# KiCad board !HDMI2USB.kicad_pcb (continued)
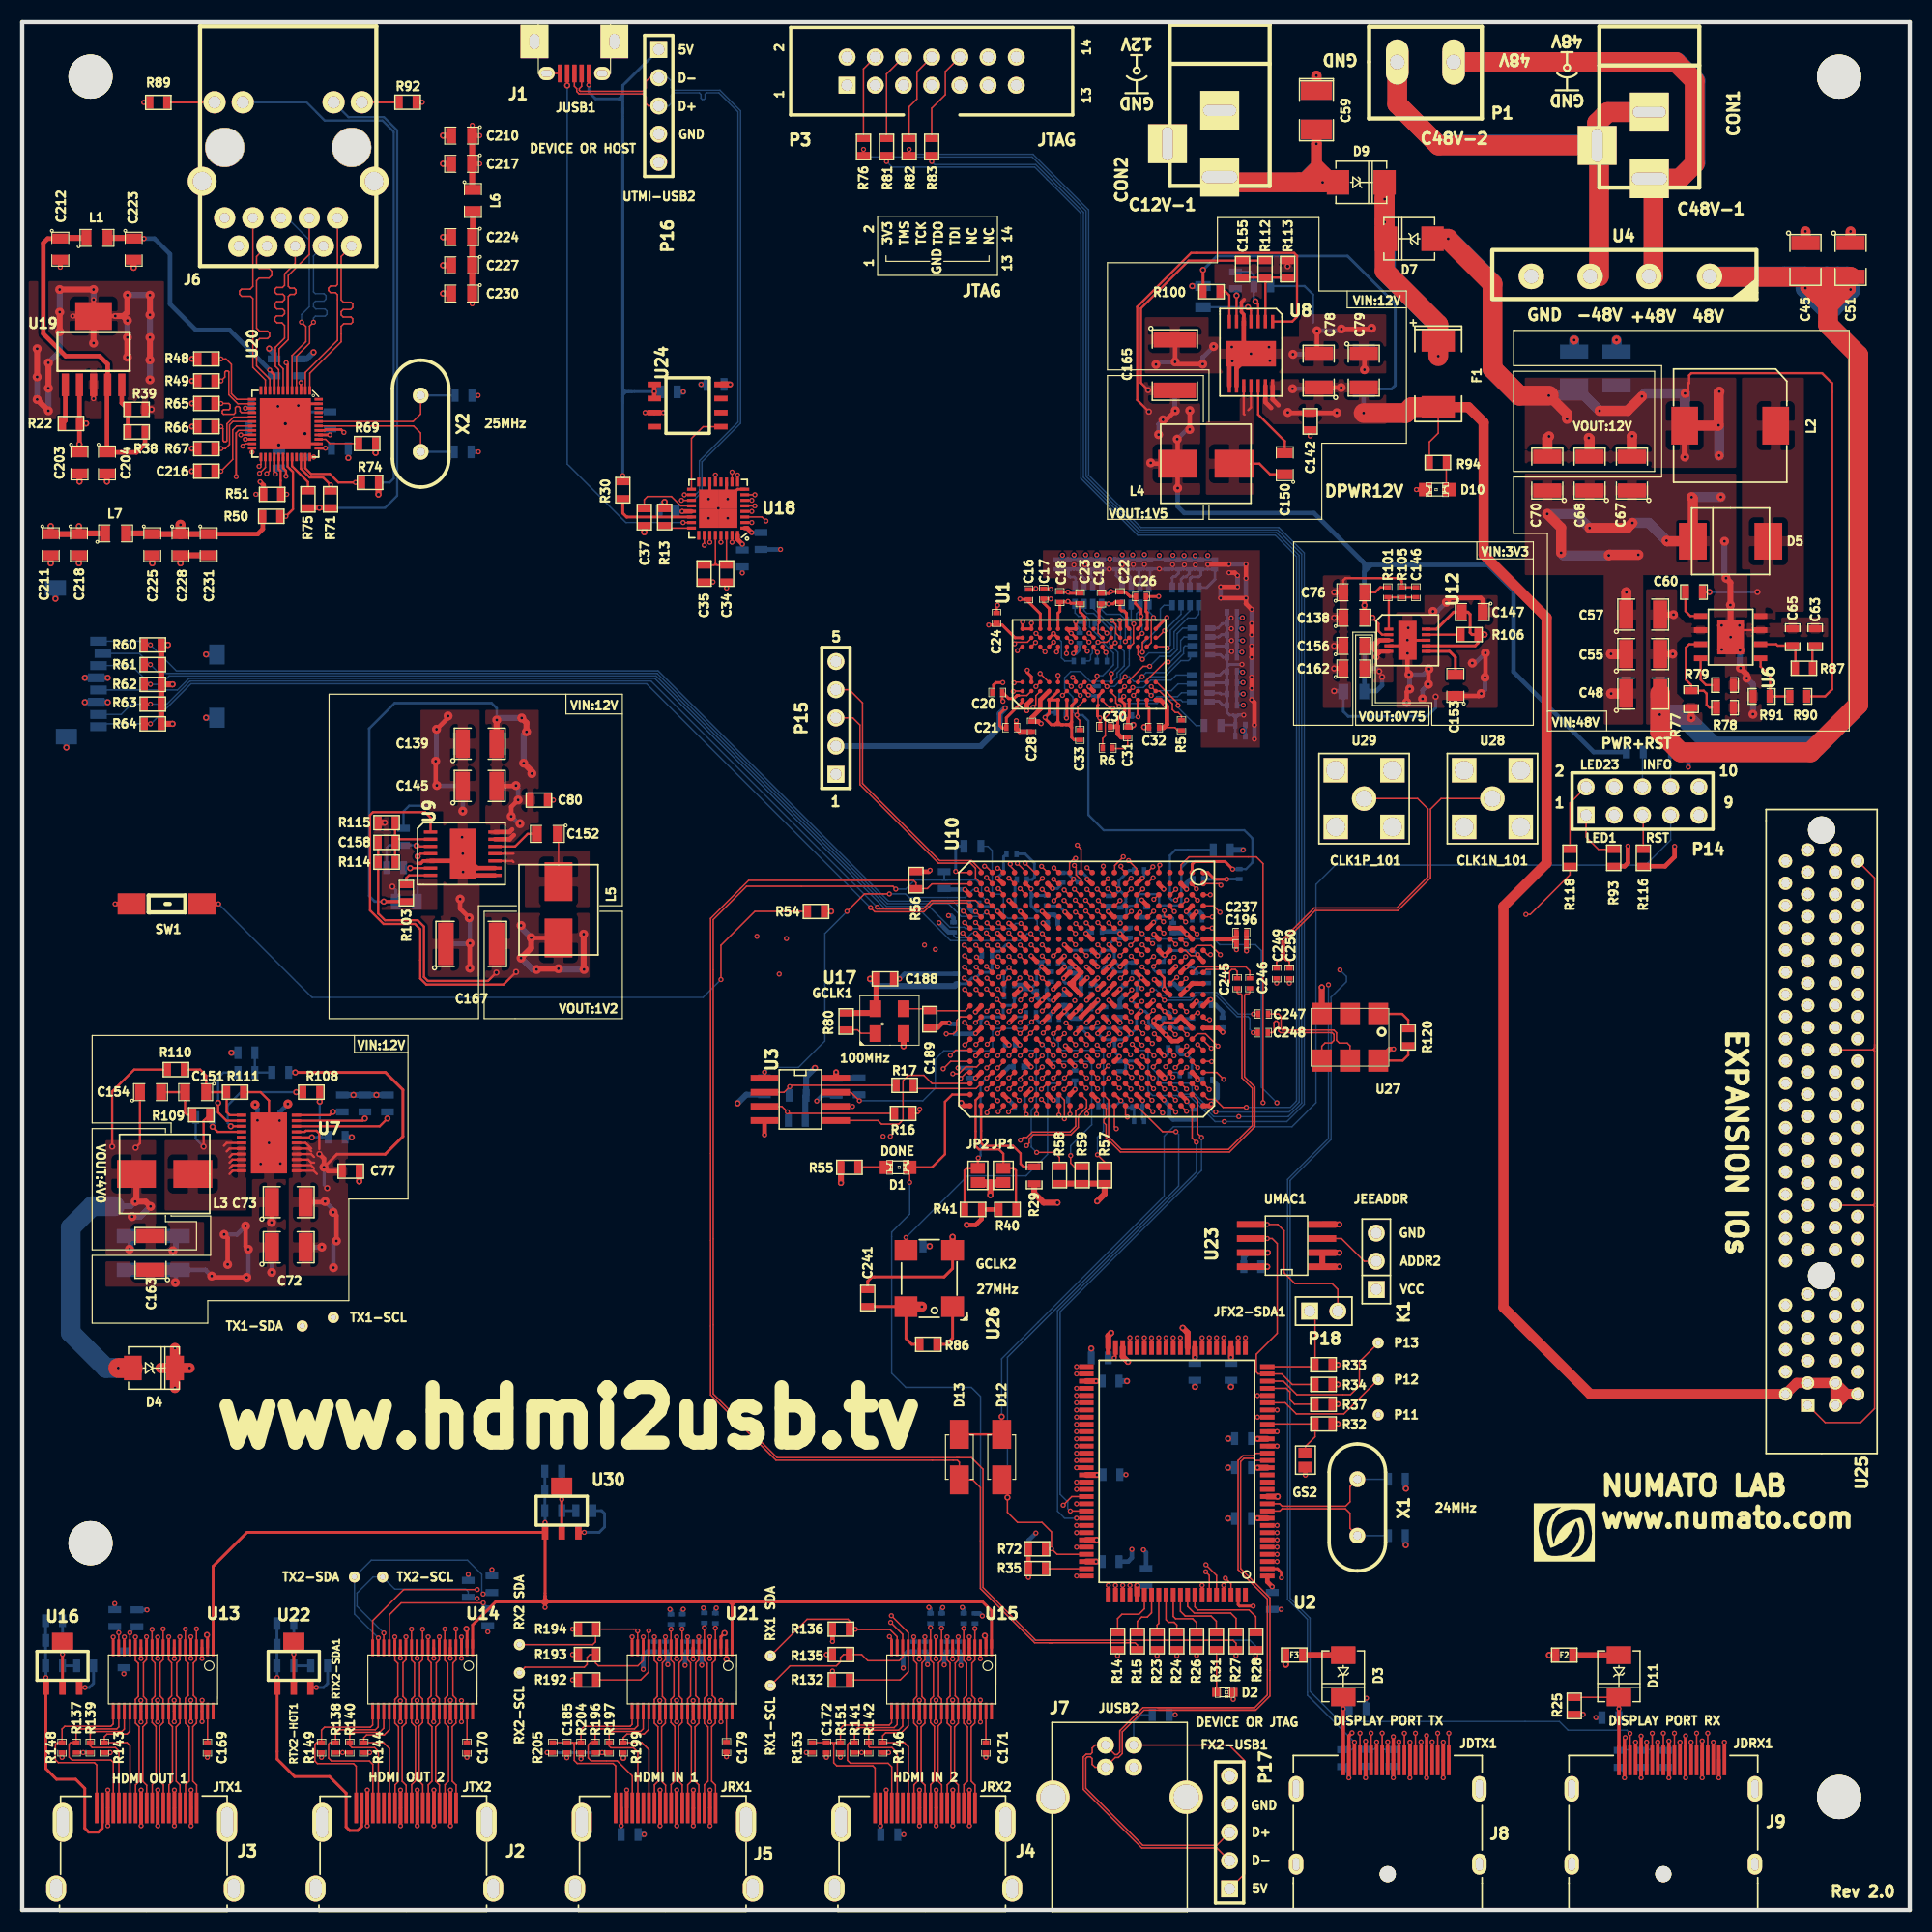
[diagram p0: board, top side]
## Routing (per net, layer and track width the routed paths; a pad name or vN(x,y) marks a point on that pad's centre or on a via; arc(x,y) is an arc through that point) (continued)
N-00000199: length 4.9
  TOP w0.127: R93.2 141.96,95.51 140.85,96.62 P14.1
N-00000200: length 3.1
  TOP w0.127: P14.5 146,98.51 R116.2
N-00000201: length 6.2
  TOP w0.127: P14.2 139.39,99.67 R118.1
N-00000204: length 3.2
  BOTTOM w0.127: R119.1 148.47,104.2 P14.8
N-00000205: length 4.5
  TOP w0.254: R86.2 83.24,50.93 83.79,51.49 U26.1
N-00000209: length 3.7
  TOP w0.203: U27.1 124.28,80.69 124.83,80.14 R120.1
N-00000212: length 1.8
  TOP w0.127: 102.35,85.42 v1(101.89,84.96)
  BOTTOM w0.203: v1(101.89,84.96) 101.89,84.66 102.06,84.49 R68.2
N-00000213: length 6.1
  TOP w0.127: U10.A10 106.64,84.69 108.15,84.69 108.34,84.51 108.34,83.5 108.44,83.4 108.62,83.4 108.73,83.52 108.73,84.49 108.93,84.69 109.25,84.69 109.42,84.51 C245.2
N-00000214: length 6.2
  TOP w0.127: C246.2 110.57,84.55 110.2,84.92 105.87,84.92 U10.B10
N-00000219: length 10.9
  TOP w0.127: U27.5 119.58,77.81 119.34,78.06 118.62,78.06 118.37,78.31 118.37,78.99 118.13,79.23 113.5,79.23 113.38,79.35 113.38,80.46 113.16,80.67 C247.2
N-00000220: length 30.4
  TOP w0.127: U28.2 127.78,100.08 126.84,99.13 126.84,92.94 123.89,90 116.45,90 113.68,87.23 113.68,85.63 113.8,85.51 113.96,85.51 114.12,85.36 C250.2
N-00000221: length 30.6
  TOP w0.127: U29.2 125.67,100.08 126.61,99.15 126.61,93.03 123.8,90.23 116.35,90.23 113.45,87.32 113.45,85.64 113.32,85.51 113.13,85.51 112.98,85.36 C249.2
N-00000223: length 10.9
  TOP w0.127: C248.2 112.59,79 112.74,79.15 112.74,79.91 112.86,80.04 113.01,80.04 113.14,79.91 113.14,79.16 113.31,79 117.98,79 118.14,78.83 118.14,78.3 117.91,78.07 117.33,78.07 117.04,77.78 U27.4
N-00000231: length 63
  TOP w0.127: v1(62.93,83.78) 62.93,86.86 65.99,89.92 R54.2
  TOP w0.406: SW1.1 v1(17.68,90.59)
  BOTTOM w0.127: v1(17.68,90.59) 26.1,82.17 61.32,82.17 v1(62.93,83.78)
N-00000232: length 12.9
  TOP w0.127: U10.R7 v1(91.87,87.91)
  BOTTOM w0.127: v1(91.87,87.91) 91.42,88.36 91.42,89.05 91.17,89.3 88.75,89.3 88.37,89.68 88.37,91.21 88.12,91.46 87.61,91.46 87.36,91.72 87.36,95.4 86.97,95.78 R85.2
N-00000252: length 17.9
  TOP w0.127: U20.10 22.3,137.86 21.11,139.05 21.11,141.23 21.38,141.5 22.09,141.5 22.28,141.69 22.28,141.99 22.09,142.18 21.37,142.18 21.11,142.45 21.11,146.73 21.34,146.96 22.23,146.96 22.48,147.21 22.48,147.57 22.23,147.81 21.35,147.81 21.11,148.05 21.11,148.9 J6.7
N-00000253: length 17.9
  TOP w0.127: v1(25.15,142.99) 25.55,142.59 25.55,141.23 24.3,139.98 U20.5
  BOTTOM w0.127: 23.31,152.38 23.86,152.38 25.86,150.38 25.86,144.37 25.15,143.67 v1(25.15,142.99)
N-00000254: length 17.8
  TOP w0.127: 25.85,152.38 25.85,149.08 23.96,147.19 23.96,146.22 24.13,146.06 24.49,146.06 24.65,145.9 24.65,145.63 24.51,145.49 24.14,145.49 23.96,145.31 23.96,141.42 23.13,140.58 23.13,139.16 23.5,138.79 23.5,136.84
N-00000255: length 17.8
  TOP w0.127: J6.5 24.58,148.28 23.63,147.33 23.63,146.3 23.44,146.11 22.9,146.11 22.76,145.97 22.76,145.68 22.93,145.5 23.47,145.5 23.63,145.35 23.63,145.03 23.44,144.84 22.92,144.84 22.77,144.68 22.77,144.34 22.93,144.18 23.45,144.18 23.63,144 23.63,143.74 23.44,143.55 22.91,143.55 22.75,143.39 22.75,143.12 22.94,142.93 23.39,142.93 23.63,142.69 23.63,141.55 22.8,140.72 22.8,139.01 23.1,138.71 U20.8
N-00000256: length 17.9
  TOP w0.127: U20.11 21.9,137.79 20.77,138.92 20.77,145.12 20.57,145.32 19.77,145.32 19.58,145.51 19.58,145.79 19.75,145.96 20.53,145.96 20.77,146.21 20.77,152.38
N-00000257: length 3.8
  TOP w0.127: R69.1 27.71,132.06 27.33,132.44 26.7,132.44
N-00000258: length 5.7
  TOP w0.127: K1.2 120.86,58.41 118.81,60.45 U23.3
N-00000259: length 17.9
  TOP w0.127: J6.1 28.73,148.9 28.73,144.99 28.93,144.79 29.6,144.79 29.77,144.62 29.77,144.31 29.58,144.12 28.91,144.12 28.73,143.94 28.73,143.63 28.91,143.45 29.61,143.45 29.76,143.3 29.76,142.99 29.62,142.85 28.95,142.85 28.73,142.62 28.73,141.22 25.9,138.39 U20.1
N-00000260: length 17.9
  TOP w0.127: 25.5,136.84 25.5,138.46 28.39,141.35 28.39,145.47 28.21,145.65 27.78,145.65 27.59,145.84 27.59,146.05 27.78,146.25 28.26,146.25 28.39,146.38 28.39,152.38
N-00000261: length 17.8
  TOP w0.127: v1(26.23,142.98) 25.88,142.63 25.88,141.09 24.7,139.91 U20.4
  BOTTOM w0.127: J6.3 26.23,148.95 26.23,145.72 26.4,145.56 27.18,145.56 27.36,145.38 27.36,145.07 27.17,144.88 26.42,144.88 26.23,144.69 26.23,144.38 26.44,144.18 27.27,144.18 27.45,144 27.45,143.7 27.28,143.53 26.41,143.53 26.23,143.36 v1(26.23,142.98)
N-00000262: length 3.6
  TOP w0.203: R75.1 25.73,128.59 24.3,130.02 U20.32
N-00000264: length 5.4
  TOP w0.127: v1(27.77,128.33) R71.1
  TOP w0.203: v1(27.77,128.33) 27.1,129 25.89,129 25.1,129.79 U20.34
  BOTTOM w0.127: R71.1 v1(27.77,128.33)
N-00000265: length 7.1
  TOP w0.203: 25.5,130.84 25.5,129.83 26.02,129.31 27.72,129.31 28.47,128.55 v1(30.01,128.55) R74.1
  BOTTOM w0.203: v1(30.01,128.55) R74.1
N-00000267: length 3.6
  TOP w0.406: R22.1 3.89,134.12 3.89,137.34
N-00000270: length 4.5
  TOP w0.406: U19.5 8.97,135.7 R39.2 R38.1
N-00000276: length 3.4
  TOP w0.203: 30.58,162.79 30.59,162.79 R92.1
N-00000277: length 4.3
  TOP w0.203: R89.1 13.03,162.79 17.32,162.79
N-00000283: length 2.5
  TOP w0.127: R13.2 58.09,124.44 U18.24
N-00000288: length 5.5
  TOP w0.127: C37.2 56.02,127 56.32,127.29 58.46,127.29 59.31,126.44 U18.20
N-00000289: length 7.6
  TOP w0.254: R30.1 54.09,125.78 54.43,125.44 U18.22
N-00000292: length 9.4
  TOP w0.127: 62.43,121.27 62.59,121.11 C34.1 ; 62.43,121.27 62.43,121.23 62.31,121.11 C35.1 C34.1 ; 62.43,121.27 U18.28 ; C34.1 63.43,121.12 U18.30
N-00000296: length 3.4
  TOP w0.127: U2.88 102.36,25.8 102.21,25.64 R23.1
N-00000297: length 5.1
  TOP w0.127: U2.90 103.66,26.42 103.88,26.21 105.41,26.21 105.77,25.85 R26.1
N-00000298: length 6.1
  TOP w0.127: U2.91 104.31,26.89 104.74,26.46 107.07,26.46 107.54,25.99 R31.1
N-00000299: length 7.1
  TOP w0.127: U2.92 104.96,27.32 105.56,26.73 108.84,26.73 109.32,26.25 R27.1
N-00000300: length 8.3
  TOP w0.127: U2.93 105.61,27.28 105.88,27.01 110.49,27.01 111.1,26.4 R28.1
N-00000301: length 5.3
  TOP w0.127: U2.86 101.06,27.11 100.57,26.62 99.04,26.62 98.65,26.23 R14.1
N-00000302: length 4.2
  TOP w0.127: U2.87 101.71,26.75 101.33,26.36 100.82,26.36 100.43,25.98 R15.1
N-00000303: length 4.1
  TOP w0.127: U2.89 103.01,26.12 103.24,25.9 103.74,25.9 103.99,25.65 R24.1
N-00000306: length 5.3
  TOP w0.127: R37.1 114.59,45.54 114.17,45.95 114.17,46.64 113.84,46.97 U2.27
N-00000310: length 7.2
  TOP w0.127: GS2.1 115.57,41.74 116.43,42.6 R32.1 112.18,43.76
N-00000311: length 3.9
  TOP w0.127: R31.2 107.56,23.42 D2.1
N-00000312: length 10.2
  TOP w0.127: U2.24 113.02,45.02
  SIGNAL3-X w0.127: P11.1 121.69,45.02 v1(113.02,45.02)
N-00000313: length 11.7
  TOP w0.127: P12.1 119.03,44.66 114.75,44.66 113.74,45.67 U2.25
N-00000319: length 3.7
  TOP w0.127: R35.1 92.17,30.72 U2.79
N-00000322: length 13.7
  TOP w0.127: P13.1 120.43,49.36 120.43,47.2 119.63,46.4 114.79,46.4 113.58,47.62 U2.28
N-00000324: length 26.7
  TOP w0.127: P17.1 110.11,3.26 110.11,13.41 108.69,14.84 J7.1
  BOTTOM w0.127: J7.1 100.1,16.86 100.81,17.57 R36.2
N-00000325: length 5.1
  TOP w0.203: U6.6 157.97,113.98 158.1,113.85 C65.2 159.7,113.6 R87.2
N-00000326: length 2.1
  TOP w0.203: C63.1 161.23,113.6 R87.1
N-00000328: length 6.9
  TOP w0.203: C158.2 33.87,96.42 U9.2 ; C158.2 R114.2 ; C158.2 R115.1
N-00000329: length 3.3
  TOP w0.203: C60.1 149.8,116.97 150.24,116.52 U6.1
N-00000330: length 3.6
  TOP w0.203: R79.1 151.65,110.3 151.16,110.78 U6.4
N-00000331: length 9
  TOP w0.203: R78.1 151.96,108.27 151.7,108.53 151.7,109.53 151.44,109.79 R77.1 150.31,110.31 149.84,110.78 149.84,113.68 150.14,113.98 U6.3
N-00000332: length 3.3
  TOP w0.203: R100.2 108.38,145.73 108.71,145.4 U8.7
N-00000333: length 7.7
  TOP w0.127: C152.1 48.3,96.85 L5.1
  TOP w0.203: 44.25,94.36 44.14,94.47 U9.10 ; U9.11 44.25,95.12
N-00000334: length 4.2
  TOP w0.203: U9.12 44.39,95.77 45.52,96.9 C152.2
N-00000335: length 7
  TOP w0.203: C150.2 113.71,132.27 111.31,134.67 U8.12
N-00000336: length 9.9
  TOP w0.203: C150.1 112.38,129.28 111.43,130.24 L4.1 ; 110.09,134.66 110.01,134.73 U8.10 ; 110.42,135.06 110.66,135.3 U8.11
N-00000337: length 3
  TOP w0.203: U8.6 109.36,145.39
  BOTTOM w0.203: R102.2 109.36,145.89 v3(109.36,145.39)
N-00000338: length 5.4
  TOP w0.203: v3(110.39,144.33) 110.66,144.06 U8.4
  BOTTOM w0.203: C143.2 v3(110.39,144.33)
N-00000340: length 10.2
  TOP w0.203: v3(24.68,73.64) R108.2 ; U7.3 18.79,70.57
  BOTTOM w0.203: v3(24.68,73.64) 19.69,73.64 18.51,72.45 18.51,70.85 v3(18.79,70.57)
N-00000341: length 7.7
  TOP w0.203: 26.09,69.57 U7.18 ; R108.1 v3(26.8,72.79)
  BOTTOM w0.203: 26.8,70.44 26.8,70.27 ; 26.8,70.44 v3(26.8,72.79) ; 26.8,70.44 26.8,70 ; 27.02,69.57 27.01,69.57 26.8,69.78 26.8,70 ; 27.02,69.57 C148.2 ; 27.02,69.57 26.58,69.57 ; 26.8,70 26.8,69.79 26.58,69.57 ; 26.58,69.57 26.1,69.57
  vias: v3(26.09,69.57)
N-00000342: length 4.3
  TOP w0.203: v3(27.98,71.86) 27.68,71.57 U7.22
  BOTTOM w0.203: R99.1 v3(27.98,71.86)
N-00000343: length 9.1
  TOP w0.203: U7.20 32.19,70.57 v3(32.9,71.27)
  BOTTOM w0.203: R107.2 32.89,71.27
N-00000344: length 6.1
  TOP w0.203: v3(111.07,144.85) 111.31,144.61 U8.3
  BOTTOM w0.203: R102.1 110.61,147.51 110.92,147.2 C137.2 110.92,145 v3(111.07,144.85)
N-00000345: length 5.9
  TOP w0.203: v3(35.53,95.84) 35.6,95.77 U9.3
  BOTTOM w0.203: R104.1 32.82,95.63 33.07,95.88 C141.2 35.49,95.88 v3(35.53,95.84)
N-00000346: length 2.9
  TOP w0.203: R103.2 34.6,92.93 34.84,93.17 U9.7
N-00000347: length 2.4
  TOP w0.203: U9.6 v3(34.94,93.82)
  BOTTOM w0.203: 34.91,93.85 R104.2
N-00000348: length 5.4
  TOP w0.203: v3(35.61,94.86) 35.87,95.12 U9.4
  BOTTOM w0.203: C144.2 35.61,90.86 v3(35.61,94.86)
N-00000349: length 3.6
  TOP w0.203: v3(17.14,70.52) 17.6,70.07 U7.4
  BOTTOM w0.203: v3(17.14,70.52) C149.1
N-00000350: length 7.5
  TOP w0.203: v3(17.65,72.67) 17.65,71.81 18.4,71.07 U7.2
  BOTTOM w0.203: R97.1 18.14,75.42 17.65,74.92 v3(17.65,72.67)
N-00000351: length 6.8
  TOP w0.203: v3(30.86,71.27) 30.66,71.07 U7.21
  BOTTOM w0.203: v3(30.86,71.27) R98.1
N-00000352: length 5.4
  TOP w0.203: U12.1 123.08,118.11 R101.2 R105.1 C146.1
N-00000353: length 4.8
  TOP w0.203: R109.1 14.84,71.61 14.67,71.78 C151.2 C154.2
N-00000355: length 8
  TOP w0.203: R112.2 111.96,146.97 U8.2 ; R112.2 C155.1 ; R112.2 R113.1
N-00000356: length 3.2
  TOP w0.203: 129.58,114.59 129.34,114.84 U12.9
N-00000357: length 2.5
  TOP w0.127: D10.1 128.26,128.14 R94.2
N-00000358: length 38.8
  TOP w1.778: v2(122.7,154.07) 122.7,147.61 127.53,142.78 F1.1 v2(127.53,139.93) ; 122.7,152 D9.2 ; v2(122.7,152) 122.7,150.61
  BOTTOM w1.778: D9.2 122.7,154.07 v2(122.7,154.07) v2(122.7,152) 122.7,150.61 D7.2 122.82,147.47 127.53,142.75 v2(127.53,139.93)
N-00000361: length 5.6
  TOP w0.203: U6.5 156.56,111.96 157.42,111.1 R91.2 R90.1
N-00000362: length 5
  TOP w0.203: v3(151.96,118.68) C60.2
  BOTTOM w0.203: v3(156.27,118.68) v3(151.96,118.68)
N-00000365: length 8.8
  TOP w0.203: R110.1 16.02,75.67 16.57,75.12 C151.1 R111.2 18.41,71.84 18.69,71.57 U7.1
N-00000366: length 13.9
  TOP w0.203: 18.16,68.81 18.41,69.06 U7.6 ; 18.41,68.3 18.67,68.56 U7.7 ; 18.67,67.8 18.94,68.06 U7.8 ; 18.67,67.29 18.94,67.56 U7.9 ; 18.67,66.78 18.95,67.06 U7.10 ; 18.67,66.27 18.96,66.56 U7.11 ; v3(16.34,68.74) 16.34,71.05 R109.2
  BOTTOM w0.203: v3(16.34,68.74) 15.62,69.45 C149.2
N-00000367: length 3.3
  BOTTOM w0.203: R95.2 R97.2 R96.1
N-00000377: length 2.8
  TOP w0.127: C171.1 86.79,17.89
N-00000378: length 2.4
  TOP w0.305: J4.18 77.31,9.18 v1(77.31,7.57)
  BOTTOM w0.254: 77.31,6.79 v1(77.31,7.57)
N-00000381: length 2.8
  TOP w0.127: U14.37 40.06,15.07
N-00000384: length 2.8
  TOP w0.127: U21.37 63.42,17.89 C179.1
N-00000387: length 2.8
  TOP w0.127: C169.1 16.69,15.07 U13.37
N-00000401: length 2.4
  TOP w0.305: J5.18 53.94,9.18 v1(53.94,7.58)
  BOTTOM w0.305: v1(53.94,7.58) 53.94,6.79
N-00000403: length 9.4
  TOP w0.254: U22.2 v1(24.46,23.02) U22.2
  BOTTOM w0.254: C177.2 C181.2 v1(24.46,23.02) 24.46,23.82 ; C252.2 24.47,25.77
N-00000405: length 9.4
  TOP w0.254: U16.2 v1(3.63,23.02) U16.2
  BOTTOM w0.254: R195.2 C175.2 v1(3.63,23.02) C205.2 4.9,21.97
N-00000407: length 8.9
  TOP w0.254: U30.2 v1(48.59,36.96) U30.2
  BOTTOM w0.254: R121.2 C206.2 v1(48.59,36.96) C208.2 C183.2
N-00000409: length 3.7
  TOP w0.533: D3.1 118.96,22.94 F3.2
N-00000410: length 4.2
  TOP w0.533: F2.2 139.65,22.93 D11.1
N-00000411: length 6.2
  TOP w0.305: v1(118.97,18.11) D3.2 ; J8.20 118.98,18.1
  BOTTOM w0.305: v1(118.97,18.11) 118.98,18.1 C47.1
N-00000412: length 11.9
  TOP w0.127: D11.2 139.79,19.13
  TOP w0.305: 143.8,17.48 143.8,19.13 ; 143.8,17.48 143.8,13.7 ; 143.8,17.48 v1(143.8,18.11) ; D11.2 143.8,18.11
  BOTTOM w0.406: v1(143.8,18.11) 143.8,17.31
VTTDDR0: length 117.6
  TOP w0.203: 121.71,114.08 121.96,114.34 U12.3
  TOP w0.406: v1(108.69,121.18) 108.67,121.16 v1(106.77,121.16) ; v1(110.22,121.18) v1(110.22,119.91) ; v1(107.93,118.13) v1(110.22,118.13) 110.22,117.62 v1(110.72,117.12) ; v1(107.93,119.15) v1(109.45,119.15) ; v1(109.45,120.16) 109.2,120.42 v1(108.69,120.42) ; v1(110.72,115.85) v1(110.72,114.83) ; v1(110.72,113.81) v1(110.72,112.8) ; v1(110.72,111.02) v1(110.72,110) ; v1(110.72,108.99) 110.98,108.73 v1(110.98,106.7) ; 121.84,113.74 121.84,113.93 122.24,114.34 U12.3 ; U12.5 122.32,113.34 121.96,112.98 v3(121.96,112.81) 121.96,113.32 121.46,113.83 C156.2
  PWR w0.406: 94.72,121.11 94.74,121.14 ; 105.64,121.13 105.66,121.16 ; 108.88,115.39 108.91,115.36
  BOTTOM w0.254: C12.1 109.21,105.74 109.26,105.79 C180.1 ; R3.1 107.12,108.84 107.79,108.84 108.16,108.48 C209.1 ; R3.3 106.99,109.58 107.86,109.58 107.95,109.5 C184.1 ; R3.5 107.03,110.42 107.13,110.51 C207.1 ; R3.7 106.85,111.21 107.88,111.21 108.2,111.53 C182.1 ; C182.1 108.43,111.58 108.48,111.53 108.48,109.47 108.5,109.45 C209.1 ; C182.1 108.53,111.38 108.5,111.42 C186.1 ; C182.1 108.5,111.92 108.74,112.16 v1(109.85,112.16) ; 109.3,106.86 C180.1 ; C180.1 108.17,106.7 108.05,106.59 R1.1 ; C180.1 109.26,107.32 109.54,107.6 ; C180.1 109.26,107.39 109.05,107.6 ; C176.1 108.51,113.84 108.5,113.83 108.5,113.3 ; C176.1 107.06,113.81 107.05,113.83 R8.3 ; C176.1 108.5,114.32 ; R8.1 107.17,113.04 107.89,113.04 108.14,112.8 C186.1 ; R8.5 107.15,114.63 107.76,114.63 107.96,114.83 C174.1 ; R8.7 107.03,115.43 107.69,115.43 108.1,115.85 C10.1 ; C174.1 108.48,114.77 108.5,114.75 108.5,114.32 ; C174.1 108.5,115.38 ; C10.1 108.49,115.98 108.5,115.97 108.5,115.38 ; C10.1 108.47,115.78 108.5,115.81 108.5,116.35 ; 108.5,113.3 C186.1 ; 108.5,113.3 108.91,113.3 v1(108.92,113.32) ; 108.5,114.32 108.9,114.32 v1(108.91,114.31) ; 108.5,115.38 v1(108.9,115.38) ; 108.5,116.35 C15.1 ; 108.5,116.35 v1(108.88,116.35) ; R9.5 104.37,119.08 104.37,119.83 104.58,120.04 104.81,120.04 105.14,120.37 C187.1 ; C178.1 104.06,120.72 104.05,120.73 103.58,120.73 ; C178.1 104.2,120.77 104.24,120.73 104.59,120.73 ; C178.1 104.12,120.34 103.87,120.09 103.7,120.09 103.57,119.95 R9.7 ; C13.1 106.02,120.65 106.11,120.73 106.76,120.73 ; C13.1 105.6,120.73 ; C13.1 106.15,120.23 105.96,120.04 105.33,120.04 105.17,119.88 R9.3 ; C187.1 105.08,120.75 105.1,120.73 105.6,120.73 ; C187.1 104.59,120.73 ; 106.76,120.73 C14.1 107.42,119.82 106.68,119.08 R9.1 ; 106.76,120.73 106.76,121.14 v1(106.77,121.16) ; 105.6,120.73 105.6,121.07 v1(105.65,121.12) ; 104.59,120.73 104.59,121.05 v1(104.67,121.13) ; 103.58,120.73 C3.1 102.44,120.73 v1(102.41,120.76) 101.58,120.76 C4.1 ; 103.58,120.73 103.58,121.1 103.61,121.12 v1(103.61,121.15) ; R2.1 101.48,119.23 101.48,119.76 101.58,119.86 C4.1 ; R2.3 100.7,119.17 100.7,120.04 100.56,120.18 C1.1 ; R2.5 99.82,119.19 99.82,120.02 99.55,120.3 C7.1 ; R2.7 99.13,119.26 99.13,119.84 98.94,120.03 98.67,120.03 98.53,120.17 C8.1 ; R10.1 97.18,119.3 97.18,120.21 97.26,120.29 C9.1 ; R10.3 96.46,119.14 96.46,119.9 96.25,120.12 C5.1 ; R10.5 95.67,119.03 95.67,119.87 95.23,120.31 C2.1 ; R10.7 94.87,119 94.87,119.91 94.76,120.03 94.36,120.03 94.21,120.18 C6.1 93.67,120.73 ; C4.1 101,120.73 ; C1.1 100.59,120.74 100.6,120.73 101,120.73 ; C1.1 100.05,120.73 ; C7.1 99.56,120.71 99.58,120.73 100.05,120.73 ; C7.1 99.1,120.73 ; C8.1 98.49,120.72 98.5,120.73 99.1,120.73 ; C8.1 97.95,120.73 ; C9.1 97.36,120.72 97.37,120.73 97.95,120.73 ; C9.1 96.76,120.73 ; C5.1 96.27,120.76 96.29,120.73 96.76,120.73 ; C5.1 95.71,120.73 ; C2.1 95.29,120.74 95.3,120.73 95.71,120.73 ; C2.1 94.71,120.73 ; C11.1 93.24,120.76 93.27,120.73 93.67,120.73 ; 101,120.73 101,121.09 v1(101.07,121.16) ; 100.05,120.73 100.05,121.14 v1(100.07,121.16) ; 99.1,120.73 99.1,121.1 v1(99.06,121.14) ; 97.95,120.73 97.92,120.73 v1(97.9,120.74) ; 96.76,120.73 96.76,120.74 96.75,120.75 v1(96.75,121.13) ; 95.71,120.73 95.71,121.14 v1(95.72,121.14) ; 94.71,120.73 94.23,120.73 ; 94.71,120.73 94.71,121.11 v1(94.72,121.12) ; 93.67,120.73 93.67,121.11 v1(93.68,121.11) ; 109.45,107.6 v1(110.01,107.6) 109.54,107.6 ; C209.1 108.5,107.84 108.74,107.6 109.05,107.6 ; 109.05,107.6 109.54,107.6
  BOTTOM w0.406: v1(108.69,121.18) v1(110.22,121.18) ; v1(110.22,119.91) v1(110.22,118.13) ; v1(107.93,118.13) v1(107.93,119.15) ; v1(109.45,119.15) v1(109.45,120.16) ; v1(110.72,117.12) v1(110.72,115.85) ; v1(110.72,114.83) v1(110.72,113.81) ; v1(110.72,112.8) v1(110.72,111.02) ; v1(110.72,110) v1(110.72,108.99) ; v1(110.98,106.7) v1(110.98,105.43) ; v3(122.47,111.04) 122.47,110.27 121.96,109.77 120.88,109.77 C162.2 ; v3(122.22,111.54) 121.96,111.8 C162.2 ; C156.2 C162.2
VTTREF: length 4.4
  TOP w0.254: C153.2 129.08,112.81 128.55,113.34 U12.6
VTTREF0: length 83.5
  TOP w0.127: U1.H1 95.7,108.97 95.06,108.33 95.06,107.67 94.98,107.59 v1(94.99,107.6) 94.99,107.37 95.24,107.12 95.24,106.21 C33.1 ; v1(98.14,116.13) 98.5,115.77 98.5,114.97 98.89,114.58 U1.M8 ; 95.36,86.42 v1(95.85,85.93) ; U10.P8 v1(92.86,85.92) ; U10.K8 v1(96.87,86.91)
  TOP w0.254: v1(109.01,93.72) 108.33,94.41 105.61,94.41 105.36,94.17 U10.B1
  PWR w0.254: 95.21,86.39 93.34,86.39 v1(92.86,85.92) ; 95.21,86.39 95.39,86.39 ; 95.21,86.39 95.55,86.39 95.57,86.38 ; 95.57,86.38 95.85,86.09 v1(95.85,85.93) 95.85,86.15 96.08,86.38 ; 95.57,86.38 96.08,86.38 ; 96.08,86.38 96.33,86.38 v1(96.87,86.91) 97.37,87.41 99.17,87.41 99.38,87.63 99.38,88.15 98.9,88.64 v1(98.9,88.86)
  BOTTOM w0.127: 98.14,116.1 98.14,116.06 ; 98.14,116.1 98.14,116.03 98.92,115.24 98.92,113.65 99.25,113.33 99.25,112.04 98.61,111.39 98.61,111.03 98.22,110.63 96.19,110.63 95.31,111.52 94.44,111.52 93.88,110.96 93.88,109.97 94.63,109.21 94.63,107.87 94.92,107.58 94.98,107.58 v1(94.99,107.6) ; 98.14,116.1 v1(98.14,116.13)
  BOTTOM w0.203: C192.1 99.28,89.37 99.44,89.54 99.44,90.12 99.75,90.43 100.17,90.43 100.38,90.63 100.38,91.2 100.65,91.47 102.18,91.47 102.39,91.26 102.39,90.59 102.53,90.45 104.14,90.45 104.4,90.71 104.4,93.85 104.95,94.4 108.34,94.4 v1(109.01,93.72) ; C113.1 110.22,93.73 110.79,94.3 110.79,96.5 110.06,97.23 97.4,97.23 96.02,98.61 96.02,107.07 95.5,107.6 v1(94.99,107.6)
  BOTTOM w0.254: C113.1 109.6,93.72 v1(109.01,93.72) ; v1(98.9,88.86) C192.1

## Copper pours and planes (outline as drawn; the poured copper is in the pictures)
/Power/VIN 48 on TOP: 149.04,118.93 149.04,116.65 149.8,115.89 152.08,115.89 152.08,114.62 149.54,114.62 149.04,114.11 149.04,109.54 149.54,109.03 151.32,109.03 151.32,106.74 146.24,106.74 146.24,118.93
/Power/VIN 48 on BOTTOM: 151.58,119.7 151.58,106.74 145.99,106.74 145.99,119.7
GND on TOP: 41.2,108.07 41.2,83.94 35.87,83.94 35.87,89.53 37.9,89.53 37.9,98.93 35.87,98.93 35.87,108.07
GND on TOP: 37.39,98.42 31.55,98.42 31.55,90.04 37.39,90.04
GND on TOP: 122.86,138.37 101.01,138.37 101.01,143.45 106.85,143.45 106.85,141.67 114.98,141.67 114.98,143.7 122.86,143.7
GND on TOP: 114.47,142.18 107.36,142.18 107.36,149.29 114.47,149.29
GND on TOP: 23.75,56.11 7.49,56.11 7.49,58.4 16.89,58.4 16.89,62.46 20.7,62.46 20.7,72.11 23.75,72.11
GND on TOP: 119.68,108.24 117.14,108.24 117.14,120.18 119.68,120.18
GND on TOP: 123.74,108.24 132.89,108.24 132.89,118.4 126.28,118.4 126.28,116.88 123.74,116.88
GND on TOP: 154.37,129.35 154.37,120.2 155.39,120.2 155.39,115.89 158.43,115.89 158.43,116.39 162.75,116.39 162.75,114.62 155.39,114.62 155.39,111.31 156.66,111.31 156.66,107 153.35,107 153.35,112.08 152.34,112.08 152.34,120.2 145.99,120.2 145.99,106.74 142.43,106.74 142.43,120.2 135.32,120.2 135.32,129.35
GND on TOP: 12.78,134.24 0.58,134.24 0.58,146.69 12.78,146.69
GND on BOTTOM: 41.2,108.07 41.2,83.18 35.87,83.18 35.87,89.53 37.9,89.53 37.9,98.93 35.87,98.93 35.87,108.07
GND on BOTTOM: 122.86,138.37 101.01,138.37 101.01,143.45 106.85,143.45 106.85,141.67 114.98,141.67 114.98,143.7 122.86,143.7
GND on BOTTOM: 26.03,69.83 23.49,69.83 23.49,56.11 7.49,56.11 7.49,58.4 16.89,58.4 16.89,62.46 12.57,62.46 12.57,69.83 7.49,69.83 7.49,75.16 26.03,75.16
GND on BOTTOM: 119.68,108.24 117.14,108.24 117.14,120.18 119.68,120.18
GND on BOTTOM: 132.89,108.24 123.74,108.24 123.74,116.88 126.28,116.88 126.28,118.4 132.89,118.4
GND on BOTTOM: 162.75,137.98 162.75,111.06 156.66,111.06 156.66,107 152.34,107 152.34,120.2 145.48,120.2 145.48,106.74 142.43,106.74 142.43,120.2 135.32,120.2 135.32,129.35 154.88,129.35 154.88,137.98
GND on BOTTOM: 12.78,134.24 0.58,134.24 0.58,146.69 12.78,146.69
GND on GND1: 170,0 0,0 0,170 170,170
GND on GND2: 170,0 0,0 0,170 170,170
GND on GND3: 170,0 0,0 0,170 170,170
VCC1V2 on TOP: 51.11,89.78 51.11,83.94 41.71,83.94 41.71,89.78
VCC1V2 on BOTTOM: 51.11,89.78 51.11,83.18 41.71,83.18 41.71,89.78
VCC1V2 on PWR: 109.93,79.38 100.28,79.38 100.15,79.5 99.52,79.5 99.39,79.38 97.36,79.38 97.1,79.63 94.82,79.63 94.44,79.38 86.31,79.38 86.18,79.5 85.55,79.5 85.42,79.38 41.73,79.38 41.73,90.43 66.62,90.43 66.62,85.47 92.91,85.47 93.8,86.24 96.47,86.24 97.48,87.25 109.93,87.25
VCC1V5 on TOP: 106.09,127.44 101.01,127.44 101.01,137.6 106.09,137.6
VCC1V5 on BOTTOM: 106.09,127.44 101.01,127.44 101.01,137.6 106.09,137.6
VCC1V5 on PWR: 107.26,90.55 98.37,90.55 98.37,87.51 95.33,87.51 93.55,89.03 92.53,89.03 92.28,89.28 91.64,89.28 91.39,89.03 89.86,89.03 87.2,92.84 87.2,95.38 102.44,95.38 102.44,105.03 86.44,105.03 86.44,120.78 95.33,120.78 95.33,138.81 107.26,138.81
VCC3V3 on PWR: 170,0.13 0.08,0.13 0.08,170.06 170,170.06 ; 1 cut-out
VCC4V0 on TOP: 16.38,58.91 7.49,58.91 7.49,69.32 12.06,69.32 12.06,61.95 16.38,61.95
VCC4V0 on BOTTOM: 16.38,58.91 7.49,58.91 7.49,69.32 12.06,69.32 12.06,61.95 16.38,61.95
VCC12V0 on TOP: 46.54,108.07 46.54,96.13 41.71,96.13 41.71,108.07
VCC12V0 on TOP: 122.86,133.79 111.68,133.79 111.68,137.86 122.86,137.86
VCC12V0 on TOP: 29.34,57.13 24,57.13 24,69.32 29.34,69.32
VCC12V0 on BOTTOM: 46.54,108.07 46.54,96.13 41.71,96.13 41.71,108.07
VCC12V0 on BOTTOM: 122.86,133.79 111.68,133.79 111.68,137.86 122.86,137.86
VCC12V0 on BOTTOM: 29.34,57.13 24,57.13 24,69.32 29.34,69.32
/Power/Conference 12V on TOP: 154.37,137.98 154.37,129.86 135.32,129.86 135.32,137.98
/Power/Conference 12V on BOTTOM: 154.37,137.98 154.37,129.86 135.32,129.86 135.32,137.98
N-00000333 on TOP: 51.11,95.37 51.11,90.29 45.27,90.29 45.27,94.1 41.71,94.1 41.71,95.37
N-00000336 on TOP: 110.92,127.44 106.6,127.44 106.6,134.05 109.65,134.05 109.65,137.86 110.92,137.86
N-00000362 on TOP: 160.47,116.9 157.93,116.9 157.93,116.14 155.64,116.14 155.64,120.71 154.88,120.71 154.88,137.98 160.47,137.98
N-00000366 on TOP: 20.19,62.97 12.83,62.97 12.83,69.32 20.19,69.32
VTTDDR0 on TOP: 91.93,122.45 111.49,122.45 111.49,104.67 106.15,104.67 106.15,118.89 93.2,118.89 93.2,119.91 91.93,119.91
VTTDDR0 on TOP: 123.49,110.53 119.93,110.53 119.93,114.59 123.49,114.59
VTTDDR0 on BOTTOM: 91.93,122.45 111.49,122.45 111.49,104.67 107.17,104.67 107.17,107.72 106.15,107.72 106.15,116.35 106.66,116.35 106.66,118.39 91.93,118.39
VTTDDR0 on PWR: 123.01,104.78 107.77,104.78 107.77,122.05 111.58,122.05 111.58,115.7 123.01,115.7

## Text on the board
B.SilkS: * | VIN:12V | 25MHz | VOUT:1V2 | GND | D- | D+ | 5V | 3V3 | TMS | TCK | TDO | TDI | NC | VOUT:1V5 | CLK1P_101 | VOUT:0V75 | CLK1N_101 | VIN:3V3 | VOUT:12V | VIN:48V | ID | VOUT:4V0 | MICRO SD | -48V | +48V | 48V | 12V | HDMI OUT 1 | HDMI OUT 2 | HDMI IN 1 | HDMI IN 2 | DISPLAY PORT TX | DISPLAY PORT RX
F.SilkS: RTX2-HOT1 | RTX2-SDA1 | HDMI OUT 1 | JTX1 | TX1-SDA | TX2-SDA | TX1-SCL | VIN:12V | HDMI OUT 2 | TX2-SCL | JTX2 | 25MHz | JUSB1 | DEVICE OR HOST | VOUT:1V2 | UTMI-USB2 | HDMI IN 1 | 5V | D- | D+ | GND | JRX1 | GCLK1 | 100MHz | DONE | HDMI IN 2 | GCLK2 | JRX2 | 27MHz | JUSB2 | VOUT:1V5 | FX2-USB1 | DEVICE OR JTAG | JFX2-SDA1 | UMAC1 | CLK1P_101 | JEEADDR | DISPLAY PORT TX | VOUT:0V75 | VCC | ADDR2 | 24MHz | JDTX1 | CLK1N_101 | VIN:3V3 | VIN:48V | LED23 | LED1 | VOUT:12V | INFO | RST | DISPLAY PORT RX | JDRX1 | RX2 SDA | RX2-SCL | RX1 SDA | RX1-SCL | 1      2 | 1    2 | 3V3 | TMS | TCK | TDO | TDI | NC | 13  14 | 13     14 | VOUT:4V0 | 1 | 5 | 2 / 1 | PWR+RST | 10 / 9 | Rev 2.0 | JTAG | C12V-1 | DPWR12V | C48V-2 | -48V | +48V | 48V | C48V-1 | 12V | NUMATO LAB / www.numato.com | EXPANSION IOs | www.hdmi2usb.tv
